# KiCad board Amiga500 Actionreplay 5.kicad_pcb
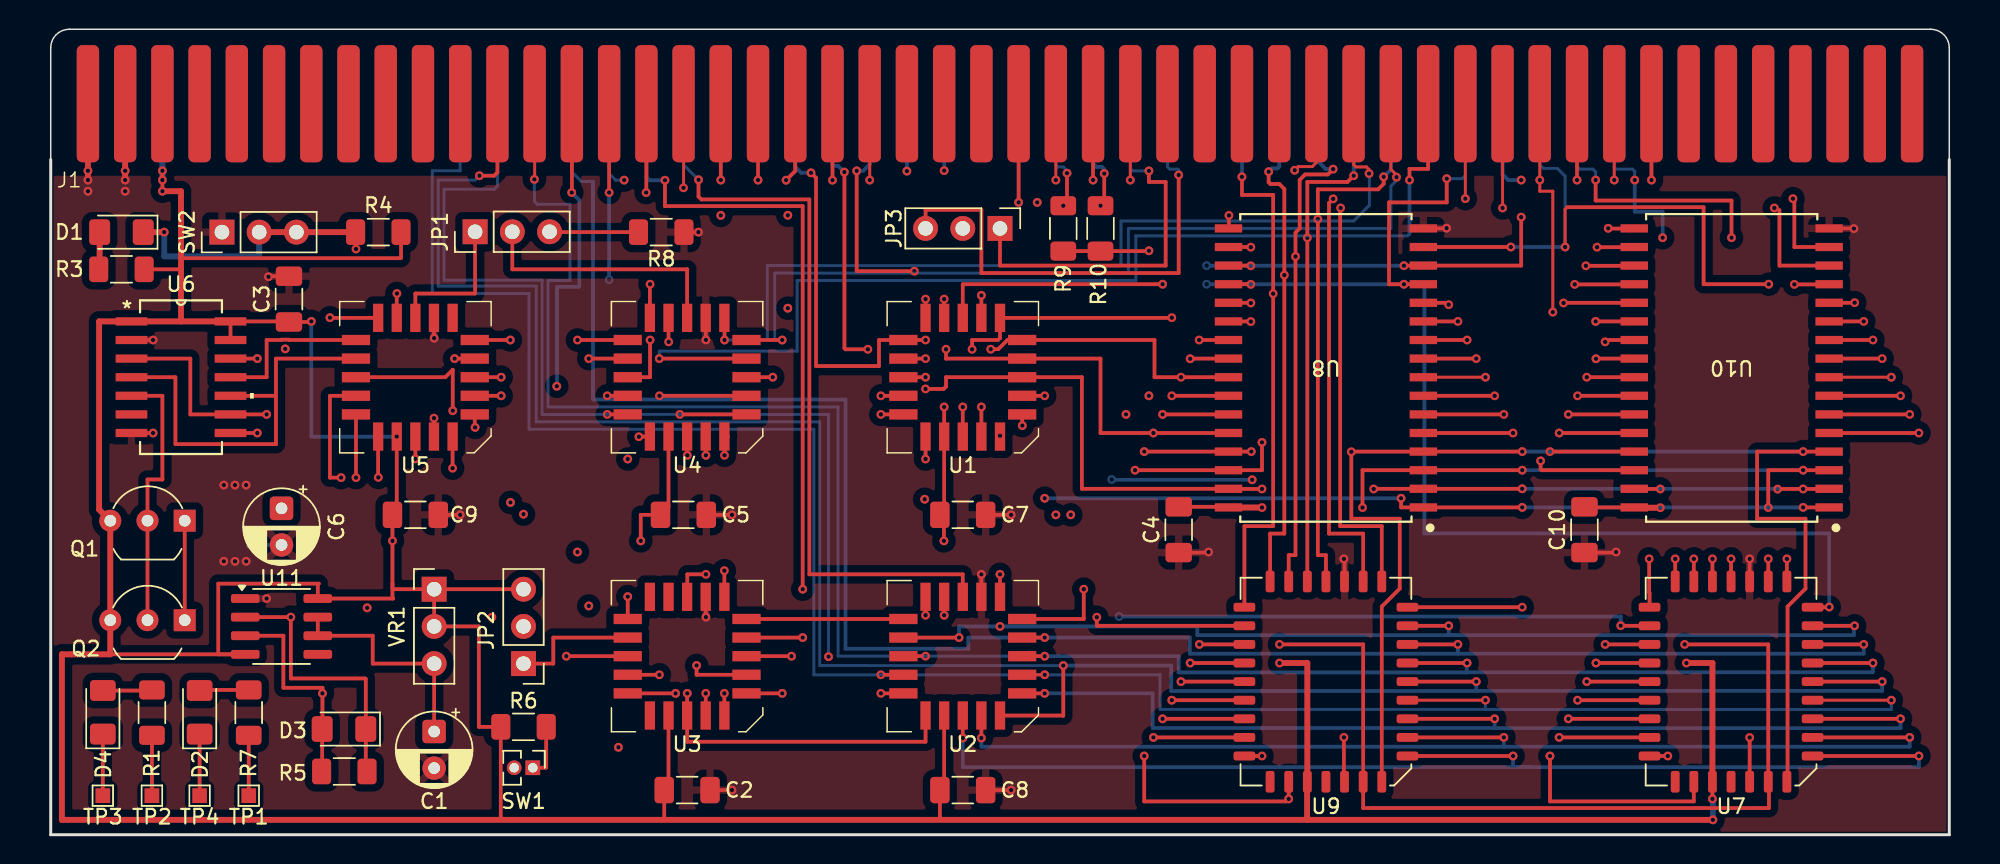
[diagram p0: board, top side]
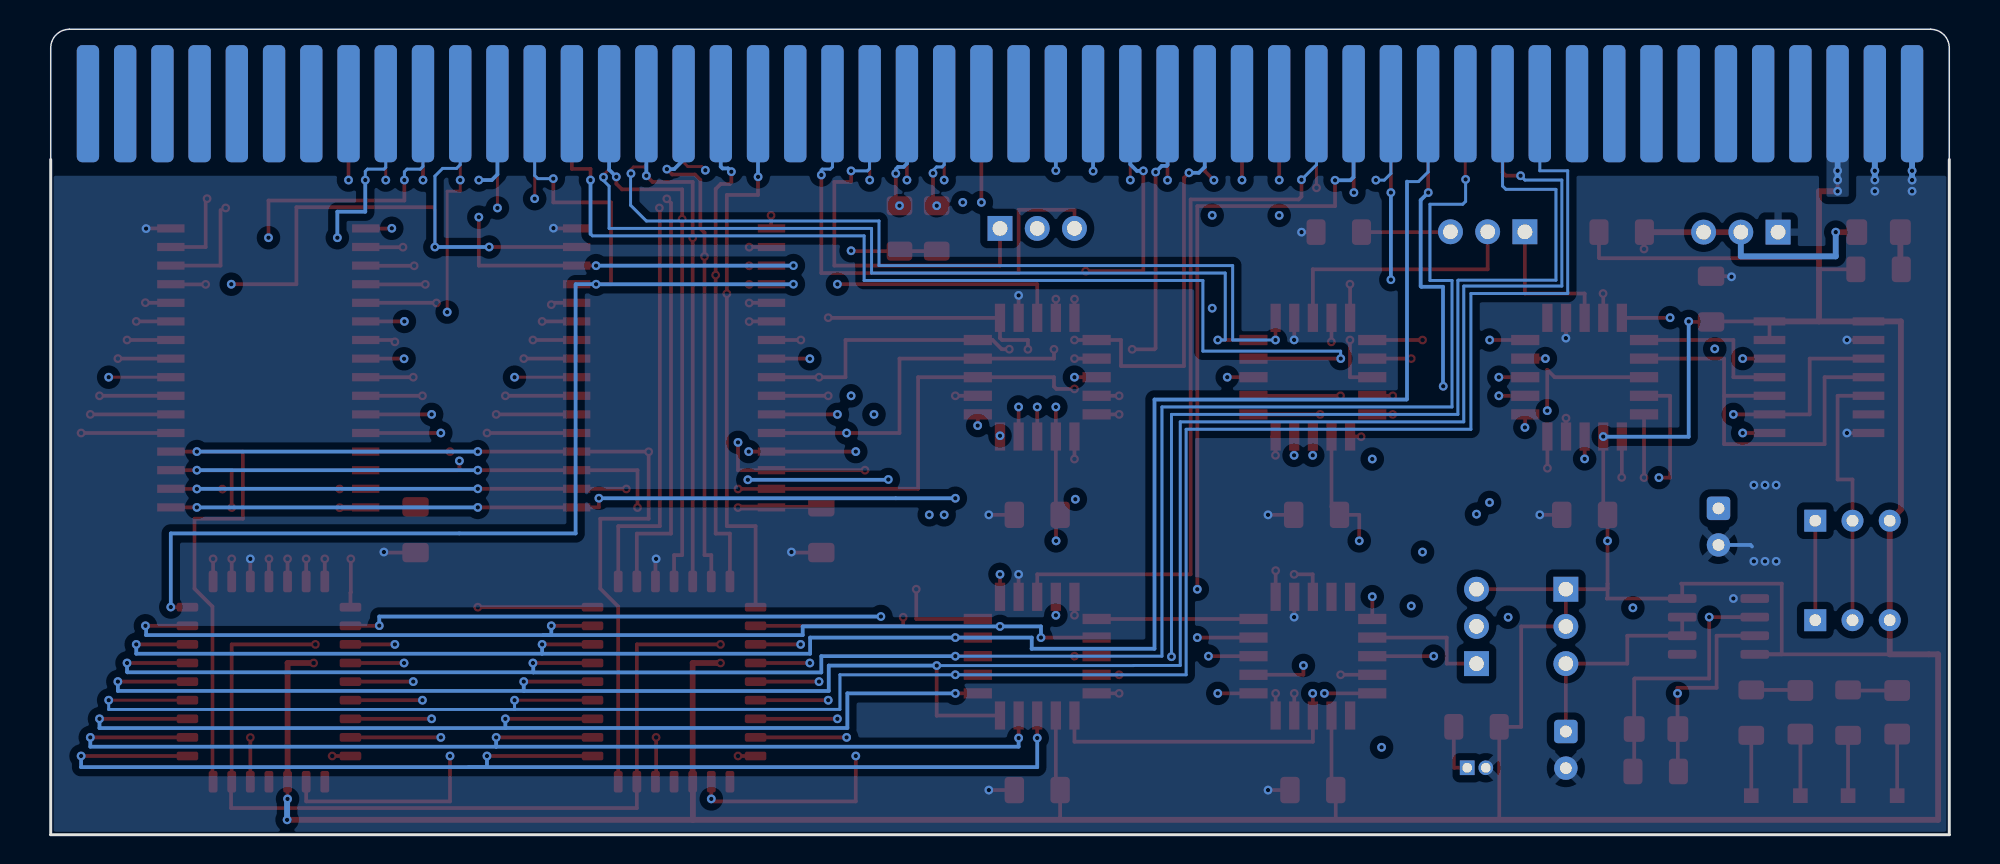
[diagram p1: board, bottom side, seen from below]

Outline 129.54 x 55 mm; copper layers: Top, In1.Cu, In2.Cu, Bottom. Coordinates in mm from the lower left corner of the outline.
Outline path: 0,46.11 0,0 129.54,0 129.54,46.11
Stack: Top 0.035mm / dielectric 0.1mm FR4 er 4.5 / In1.Cu 0.035mm / dielectric 1.24mm FR4 er 4.5 / In2.Cu 0.035mm / dielectric 0.1mm FR4 er 4.5 / Bottom 0.035mm

## Placement (name value [footprint] x y rotation side)
C1  10uF  [CP_Radial_D5.0mm_P2.50mm]  26.16 7.05 270 top
C2  C  [C_1206_3216Metric_Pad1.33x1.80mm_HandSolder]  43.42 3.05 0 top
C3  C  [C_1206_3216Metric_Pad1.33x1.80mm_HandSolder]  16.26 36.58 90 top
C4  C  [C_1206_3216Metric_Pad1.33x1.80mm_HandSolder]  76.96 20.83 90 top
C5  C  [C_1206_3216Metric_Pad1.33x1.80mm_HandSolder]  43.17 21.84 0 top
C6  1uF  [CP_Radial_D5.0mm_P2.50mm]  15.75 22.29 270 top
C7  C  [C_1206_3216Metric_Pad1.33x1.80mm_HandSolder]  62.23 21.84 0 top
C8  C  [C_1206_3216Metric_Pad1.33x1.80mm_HandSolder]  62.23 3.05 0 top
C9  C  [C_1206_3216Metric_Pad1.33x1.80mm_HandSolder]  24.88 21.84 0 top
C10  C  [C_1206_3216Metric_Pad1.33x1.80mm_HandSolder]  104.65 20.83 90 top
D1  LED  [LED_1206_3216Metric_Pad1.42x1.75mm_HandSolder]  4.83 41.15 180 top
D2  LED  [LED_1206_3216Metric_Pad1.42x1.75mm_HandSolder]  10.16 8.36 90 top
D3  D  [D_1206_3216Metric_Pad1.42x1.75mm_HandSolder]  20.01 7.22 180 top
D4  LED  [LED_1206_3216Metric_Pad1.42x1.75mm_HandSolder]  3.56 8.36 90 top
J1  ISA_86_PIN _PCB_EDGE_CONN  [ISA_100_PIN _PCB_EDGE_CONN]  2.54 49.92 0 top
JP1  hide/unhide ROM and RAM space  [PinHeader_1x03_P2.54mm_Vertical]  28.96 41.17 90 top
JP2  DeMoN on/off jumper  [PinHeader_1x03_P2.54mm_Vertical]  32.26 11.68 180 top
JP3  $400000  $800000  [PinHeader_1x03_P2.54mm_Vertical]  64.77 41.4 270 top
Q1  ZVP2106A  [TO-92_Inline_Wide]  9.14 21.44 180 top
Q2  ZVP2106A  [TO-92_Inline_Wide]  9.14 14.65 180 top
R1  R  [R_1206_3216Metric_Pad1.30x1.75mm_HandSolder]  6.91 8.34 270 top
R3  1k  [R_1206_3216Metric_Pad1.30x1.75mm_HandSolder]  4.83 38.61 0 top
R4  1k  [R_1206_3216Metric_Pad1.30x1.75mm_HandSolder]  22.35 41.15 0 top
R5  4.7k  [R_1206_3216Metric_Pad1.30x1.75mm_HandSolder]  20.03 4.32 0 top
R6  1k  [R_1206_3216Metric_Pad1.30x1.75mm_HandSolder]  32.26 7.37 0 top
R7  R  [R_1206_3216Metric_Pad1.30x1.75mm_HandSolder]  13.51 8.34 270 top
R8  220R  [R_1206_3216Metric_Pad1.30x1.75mm_HandSolder]  41.66 41.15 180 top
R9  1k  [R_1206_3216Metric_Pad1.30x1.75mm_HandSolder]  69.09 41.4 270 top
R10  1k  [R_1206_3216Metric_Pad1.30x1.75mm_HandSolder]  71.63 41.4 270 top
SW1  Conn_01x02  [PinHeader_1x02_P1.27mm_Vertical]  32.89 4.57 270 top
SW2  Conn_01x03  [PinHeader_1x03_P2.54mm_Vertical]  11.68 41.15 90 top
TP1  TestPoint  [TestPoint_Pad_1.0x1.0mm]  13.51 2.67 180 top
TP2  TestPoint  [TestPoint_Pad_1.0x1.0mm]  6.91 2.67 180 top
TP3  TestPoint  [TestPoint_Pad_1.0x1.0mm]  3.56 2.67 180 top
TP4  TestPoint  [TestPoint_Pad_1.0x1.0mm]  10.16 2.67 180 top
U1  GAL16V8  [GAL16V8 PLCC-20]  62.23 31.24 180 top
U2  GAL16V8  [GAL16V8 PLCC-20]  62.23 12.19 180 top
U3  GAL16V8  [GAL16V8 PLCC-20]  43.42 12.19 180 top
U4  GAL16V8  [GAL16V8 PLCC-20]  43.42 31.24 180 top
U5  GAL16V8  [GAL16V8 PLCC-20]  24.88 31.24 180 top
U6  -  [74LS74]  8.89 31.24 0 top
U7  AT29C010A-90JI  [AT29C010A-90JI PLCC-32_11.4x14.0mm_P1.27mm]  114.65 10.46 180 top
U8  IS61C5128AS-25QLI  [SOP32L_450MIL_ISI]  87.01 31.88 180 top
U9  AT29C010A-90JI  [AT29C010A-90JI PLCC-32_11.4x14.0mm_P1.27mm]  87.01 10.46 180 top
U10  IS61C5128AS-25QLI  [SOP32L_450MIL_ISI]  114.69 31.88 180 top
U11  MC1455B  [SOIC-8_3.9x4.9mm_P1.27mm]  15.75 14.22 0 top
VR1  Conn_01x03  [PinHeader_1x03_P2.54mm_Vertical]  26.16 16.76 0 top

## Library data of the parts
C1 C6 = -: Description: Polarized capacitor; ki_fp_filters: CP_*
C2-C5 C7-C10 = -: Description: Unpolarized capacitor; ki_fp_filters: C_*
D1 D2 D4 = -: Description: Light emitting diode; ki_fp_filters: LED* LED_SMD:* LED_THT:*
D3 = -: Description: Diode; Sim.Pins: 1=K 2=A; ki_fp_filters: TO-???* *_Diode_* *SingleDiode* D_*
J1 = -: Description: Generic connector, double row, 02x40, odd/even pin numbering scheme (row 1 odd numbers, row 2 even numbers), script generated (kicad-library-utils/schlib/autogen/connector/); ki_fp_filters: Connector*:*_2x??_*
JP1-JP3 = -: Description: Jumper, 3-pole, pins 1+2 closed/bridged; ki_fp_filters: Jumper* TestPoint*3Pads* TestPoint*Bridge*
Q1 Q2 = -: Datasheet: https://www.diodes.com/assets/Datasheets/ZVP2106A.pdf; Description: DMOS FET P-ch 280mA 60V E-Line; Height: 2.41; Mouser Part Number: 522-ZVP2106A; Mouser Price/Stock: https://www.mouser.co.uk/ProductDetail/Diodes-Incorporated/ZVP2106A?qs=zhx2xqPtQQwK3PgBuv1sdA%3D%3D; Manufacturer_Name: Diodes Incorporated
R1 R3-R10 = -: Description: Resistor; ki_fp_filters: R_*
SW1 = -: Description: Generic connector, single row, 01x02, script generated (kicad-library-utils/schlib/autogen/connector/); ki_fp_filters: Connector*:*_1x??_*
SW2 VR1 = -: Description: Generic connector, single row, 01x03, script generated (kicad-library-utils/schlib/autogen/connector/); ki_fp_filters: Connector*:*_1x??_*
TP1-TP4 = -: Description: test point; ki_fp_filters: Pin* Test*
U1-U5 = -: Description: Programmable Logic Array, DIP-20/SOIC-20/PLCC-20; ki_fp_filters: DIP* PDIP* SOIC* SO* PLCC*
U6 = -: Datasheet: 74xx/74hc_hct74.pdf; Description: Dual D Flip-flop, Set & Reset; ki_fp_filters: DIP*W7.62mm*
U7 U9 = -: Datasheet: https://www.mouser.de/datasheet/2/268/Atmel_AT29C010A-1180240.pdf; Description: Fast Read Access Time  70 ns  5-volt Only Reprogramming  Sector Program Operation  Single Cycle Reprogram (Erase and Program)  1024 Sectors (128 Bytes/sector)  Internal Address and Data Latches for 128 Bytes  Two 8K Bytes Boot Blocks with Lockout  Internal Program Control and Timer  Hardware and Software Data Protection  Fast Sector Program Cycle Time  10 ms  DATA Polling for End of Program Detection  Low Power Dissipation  50 mA Active Current  100 A CMOS Standby Current  T; Height: 3.556; Mouser Part Number: 556-AT29C010A-90JI; Mouser Price/Stock: https://www.mouser.co.uk/ProductDetail/Microchip-Technology-Atmel/AT29C010A-90JI?qs=RoBsvebQnoGCogcWr4xHGw%3D%3D; Manufacturer_Name: Microchip
U8 U10 = -: Datasheet: http://www.issi.com/WW/pdf/61-64C5128AL.pdf; Description: SRAM 4Mb,High-Speed,Low Power,Async,512K x 8,25ns,5v,32 Pin SOP (450 mil), RoHS; Height: 3.05; Mouser Part Number: 870-61C5128AS-25QLI; Mouser Price/Stock: https://www.mouser.co.uk/ProductDetail/ISSI/IS61C5128AS-25QLI?qs=v9o34zvNDAYPCnMwiEH0%252BA%3D%3D; Manufacturer_Name: Integrated Silicon Solution Inc.
U11 = -: Datasheet: https://www.onsemi.com/pub/Collateral/MC1455-D.PDF; Description: Timer, 555 compatible, SOIC-8; ki_fp_filters: SOIC*3.9x4.9mm*P1.27mm*

## Footprints (pads in the part's own frame, mm; a bottom-side part is the same pattern mirrored in y, then rotated)
74LS74
  rect 2.159x0.559 smd: 1(-3.378,3.81) 2(-3.378,2.54) 3(-3.378,1.27) 4(-3.378,0) 5(-3.378,-1.27) 6(-3.378,-2.54) 7(-3.378,-3.81) 8(3.378,-3.81) 9(3.378,-2.54) 10(3.378,-1.27) 11(3.378,0) 12(3.378,1.27) 13(3.378,2.54) 14(3.378,3.81)
AT29C010A-90JI PLCC-32_11.4x14.0mm_P1.27mm
  rrect 0.6x1.475 smd: 1(0,6.838) 2(-1.27,6.838) 3(-2.54,6.838) 4(-3.81,6.838) 14(-3.81,-6.838) 15(-2.54,-6.838) 16(-1.27,-6.838) 17(0,-6.838) 18(1.27,-6.838) 19(2.54,-6.838) 20(3.81,-6.838) 30(3.81,6.838) 31(2.54,6.838) 32(1.27,6.838)
  rrect 1.475x0.6 smd: 5(-5.562,5.08) 6(-5.562,3.81) 7(-5.562,2.54) 8(-5.562,1.27) 9(-5.562,0) 10(-5.562,-1.27) 11(-5.562,-2.54) 12(-5.562,-3.81) 13(-5.562,-5.08) 21(5.562,-5.08) 22(5.562,-3.81) 23(5.562,-2.54) 24(5.562,-1.27) 25(5.562,0) 26(5.562,1.27) 27(5.562,2.54) 28(5.562,3.81) 29(5.562,5.08)
C_1206_3216Metric_Pad1.33x1.80mm_HandSolder
  rrect 1.325x1.8 smd: 1(-1.562,0) 2(1.562,0)
CP_Radial_D5.0mm_P2.50mm
  rrect 1.6x1.6 hole 0.8: 1(0,0)
  round 1.6 hole 0.8: 2(2.5,0)
D_1206_3216Metric_Pad1.42x1.75mm_HandSolder
  rrect 1.425x1.75 smd: 1(-1.488,0) 2(1.488,0)
GAL16V8 PLCC-20
  rect 0.7x1.925 smd: 1(0,4.053) 2(-1.27,4.053) 3(-2.54,4.053) 9(-2.54,-4.053) 10(-1.27,-4.053) 11(0,-4.053) 12(1.27,-4.053) 13(2.54,-4.053) 19(2.54,4.053) 20(1.27,4.053)
  rect 1.925x0.7 smd: 4(-4.053,2.54) 5(-4.053,1.27) 6(-4.053,0) 7(-4.053,-1.27) 8(-4.053,-2.54) 14(4.053,-2.54) 15(4.053,-1.27) 16(4.053,0) 17(4.053,1.27) 18(4.053,2.54)
ISA_100_PIN _PCB_EDGE_CONN
  rrect 1.57x6.35 smd far side: 1(0,0) 3(2.54,0) 5(5.08,0) 7(7.62,0) 9(10.16,0) 11(12.7,0) 13(15.24,0) 15(17.78,0) 17(20.32,0) 19(22.86,0) 21(25.4,0) 23(27.94,0) 25(30.48,0) 27(33.02,0) 29(35.56,0) 31(38.1,0) 33(40.64,0) 35(43.18,0) 37(45.72,0) 39(48.26,0) 41(50.8,0) 43(53.34,0) 45(55.88,0) 47(58.42,0) 49(60.96,0) 51(63.5,0) 53(66.04,0) 55(68.58,0) 57(71.12,0) 59(73.66,0) 61(76.2,0) 63(78.74,0) 65(81.28,0) 67(83.82,0) 69(86.36,0) 71(88.9,0) 73(91.44,0) 75(93.98,0) 77(96.52,0) 79(99.06,0) 81(101.6,0) 83(104.14,0) 85(106.68,0) 87(109.22,0) 89(111.76,0) 91(114.3,0) 93(116.84,0) 95(119.38,0) 97(121.92,0) 99(124.46,0)
  rrect 1.524x8 smd: 2(0,0) 4(2.54,0) 6(5.08,0) 8(7.62,0) 10(10.16,0) 12(12.7,0) 14(15.24,0) 16(17.78,0) 18(20.32,0) 20(22.86,0) 22(25.4,0) 24(27.94,0) 26(30.48,0) 28(33.02,0) 30(35.56,0) 32(38.1,0) 34(40.64,0) 36(43.18,0) 38(45.72,0) 40(48.26,0) 42(50.8,0) 44(53.34,0) 46(55.88,0) 48(58.42,0) 50(60.96,0) 52(63.5,0) 54(66.04,0) 56(68.58,0) 58(71.12,0) 60(73.66,0) 62(76.2,0) 64(78.74,0) 66(81.28,0) 68(83.82,0) 70(86.36,0) 72(88.9,0) 74(91.44,0) 76(93.98,0) 78(96.52,0) 80(99.06,0) 82(101.6,0) 84(104.14,0) 86(106.68,0) 88(109.22,0) 90(111.76,0) 92(114.3,0) 94(116.84,0) 96(119.38,0) 98(121.92,0) 100(124.46,0)
LED_1206_3216Metric_Pad1.42x1.75mm_HandSolder
  rrect 1.425x1.75 smd: 1(-1.488,0) 2(1.488,0)
PinHeader_1x02_P1.27mm_Vertical
  rect 1x1 hole 0.65: 1(0,0)
  round 1 hole 0.65: 2(0,-1.27)
PinHeader_1x03_P2.54mm_Vertical
  rect 1.7x1.7 hole 1: 1(0,0)
  round 1.7 hole 1: 2(0,-2.54) 3(0,-5.08)
R_1206_3216Metric_Pad1.30x1.75mm_HandSolder
  rrect 1.3x1.75 smd: 1(-1.55,0) 2(1.55,0)
SOIC-8_3.9x4.9mm_P1.27mm
  rrect 1.95x0.6 smd: 1(-2.475,1.905) 2(-2.475,0.635) 3(-2.475,-0.635) 4(-2.475,-1.905) 5(2.475,-1.905) 6(2.475,-0.635) 7(2.475,0.635) 8(2.475,1.905)
SOP32L_450MIL_ISI
  rect 1.867x0.559 smd: 1(-6.648,9.525) 2(-6.648,8.255) 3(-6.648,6.985) 4(-6.648,5.715) 5(-6.648,4.445) 6(-6.648,3.175) 7(-6.648,1.905) 8(-6.648,0.635) 9(-6.648,-0.635) 10(-6.648,-1.905) 11(-6.648,-3.175) 12(-6.648,-4.445) 13(-6.648,-5.715) 14(-6.648,-6.985) 15(-6.648,-8.255) 16(-6.648,-9.525) 17(6.648,-9.525) 18(6.648,-8.255) 19(6.648,-6.985) 20(6.648,-5.715) 21(6.648,-4.445) 22(6.648,-3.175) 23(6.648,-1.905) 24(6.648,-0.635) 25(6.648,0.635) 26(6.648,1.905) 27(6.648,3.175) 28(6.648,4.445) 29(6.648,5.715) 30(6.648,6.985) 31(6.648,8.255) 32(6.648,9.525)
TestPoint_Pad_1.0x1.0mm
  rect 1x1 smd: 1(0,0)
TO-92_Inline_Wide
  rect 1.5x1.5 hole 0.8: 1(0,0)
  round 1.5 hole 0.8: 2(2.54,0) 3(5.08,0)

## Nets
+5V: C2.1 C3.1 C4.2 C5.1 C7.1 C8.1 C9.1 C10.2 J1.5 J1.6 JP2.3 Q1.3 Q2.3 R3.2 R4.2 R6.1 R9.2 R10.2 U1.20 U2.20 U3.20 U4.20 U5.20 U6.1 U6.13 U6.14 U7.32 U8.32 U9.32 U10.32 U11.4 U11.8 VR1.1 VR1.2
GND: C1.2 C2.2 C3.2 C4.1 C5.2 C6.2 C7.2 C8.2 C9.2 C10.1 J1.1 J1.2 J1.3 J1.4 R8.1 SW1.2 SW2.1 U1.10 U2.10 U3.10 U4.10 U5.10 U6.2 U6.7 U7.16 U8.16 U9.16 U10.16 U11.1
/A1: J1.29 U2.15 U7.12 U8.12 U9.12 U10.12
/A2: J1.27 U2.7 U7.11 U8.11 U9.11 U10.11
/A3: J1.26 U2.6 U7.10 U8.10 U9.10 U10.10
/A4: J1.24 U2.3 U7.9 U8.9 U9.9 U10.9
/A5: J1.21 U2.5 U7.8 U8.8 U9.8 U10.8
/A6: J1.23 U2.4 U7.7 U8.7 U9.7 U10.7
/A7: J1.28 U2.2 U7.6 U8.6 U9.6 U10.6
/A8: J1.30 U2.1 U7.5 U8.5 U9.5 U10.5
/A9: J1.32 U1.11 U7.27 U8.27 U9.27 U10.27
/A10: J1.34 U1.9 U7.26 U8.26 U9.26 U10.26
/A11: J1.36 U1.13 U7.23 U8.23 U9.23 U10.23
/A12: J1.38 U1.8 U7.25 U8.25 U9.25 U10.25
/A13: J1.39 U1.14 U7.4 U8.4 U9.4 U10.4
/A14: J1.41 U1.7 U7.28 U8.28 U9.28 U10.28
/A15: J1.43 U1.15 U7.29 U8.3 U9.29 U10.3
/A16: J1.45 U1.6 U7.3 U8.31 U9.3 U10.31
/A17: J1.47 U1.16 U7.2 U8.2 U9.2 U10.2
/A18: J1.52 U1.5 U8.1 U10.1
/A19: J1.54 U1.17 U8.30 U10.30
/A20: J1.56 U1.4
/A21: J1.58 U1.3
/A22: J1.57 JP3.1 U1.2
/A23: J1.59 JP3.3 U1.1
/D0: J1.75 U4.17 U7.13 U8.13
/D1: J1.77 U4.18 U7.14 U8.14
/D2: J1.79 U7.15 U8.15
/D3: J1.81 U7.17 U8.17
/D4: J1.83 U7.18 U8.18
/D5: J1.86 U7.19 U8.19
/D6: J1.84 U7.20 U8.20
/D7: J1.82 U7.21 U8.21
/D8: J1.80 U9.13 U10.13
/D9: J1.78 U9.14 U10.14
/D10: J1.76 U9.15 U10.15
/D11: J1.71 U9.17 U10.17
/D12: J1.69 U9.18 U10.18
/D13: J1.67 U9.19 U10.19
/D14: J1.65 U9.20 U10.20
/D15: J1.63 U9.21 U10.21
/R_W: J1.68 U5.2 U7.31 U8.29 U9.31 U10.29
/~{AS}: J1.74 U3.14 U4.7 U5.1
/~{FC0}: J1.31 U3.7
/~{FC1}: J1.33 U2.11
/~{HLT}: J1.55 R10.1 U5.16
/~{IPL0}: J1.40 U5.17
/~{IPL1}: J1.42 U5.18
/~{IPL2}: J1.44 U5.19
/~{LDS}: J1.70 U3.11 U4.9
/~{OE}: U3.9 U4.6 U5.12 U7.24 U8.24 U9.24 U10.24
/~{RST}: J1.53 R9.1 U5.8
/~{UDS}: J1.72 U3.4 U4.8
Net-(D1-A): D1.2 R3.1
Net-(D1-K): D1.1 R4.1 SW2.2 SW2.3 U5.6
Net-(D2-A): D2.2 R7.1
Net-(D2-K): D2.1 TP4.1
Net-(D3-A): D3.2 R5.1 U5.5 U11.3
Net-(D3-K): C6.1 D3.1 R5.2 U11.2
Net-(D4-A): D4.2 R1.1
Net-(D4-K): D4.1 TP3.1
Net-(JP1-A): JP1.1 U3.16 U5.11
Net-(JP1-B): JP1.3 R8.2
Net-(JP1-C): JP1.2 U4.11
Net-(JP2-A): JP2.1 U3.15
Net-(JP2-C): JP2.2 U5.4
Net-(JP3-C): JP3.2 Q1.1 Q2.1
Net-(Q1-G): Q1.2 Q2.2 U5.3 U6.5
Net-(R1-Pad2): R1.2 TP2.1
Net-(R7-Pad2): R7.2 TP1.1
Net-(SW1-Pin_1): R6.2 SW1.1 U3.6
Net-(U1-IO1): U1.19 U2.16
Net-(U1-IO2): U1.18 U2.17
Net-(U1-IO8): U1.12 U2.18
Net-(U2-I8): U2.8 U4.13
Net-(U2-I9): U2.9 U4.14
Net-(U2-IO1): U2.19 U3.1 U4.1
Net-(U2-IO6): U2.14 U3.8
Net-(U2-IO7): U2.13 U3.2 U4.2
Net-(U2-IO8): U2.12 U3.3 U4.3
Net-(U3-I03): U3.17 U4.5
Net-(U3-I5): U3.5 U5.13
Net-(U3-IO2): U3.18 U4.4
Net-(U4-IO4): U4.16 U8.22
Net-(U4-IO5): U4.15 U9.22
Net-(U4-IO8): U4.12 U7.22
Net-(U5-I7): U5.7 U6.3 U6.9
Net-(U5-IO5): U5.15 U6.4 U6.10
Net-(U5-IO6): U5.14 U6.11
Net-(U6B-D): U6.8 U6.12
Net-(U10-~{CE}): U4.19 U10.22
Net-(U11-DIS): C1.1 U11.6 U11.7 VR1.3

Pads without a net: J1 7 8 9 10 11 12 13 14 15 16 17 18 19 20 22 25 35 37 46 48 49 50 51 60 61 62 64 66 73 85 87 88 89 90 91 92 93 94 95 96 97 98 99 100; U3 12 13 19; U5 9; U6 6; U7 1 30; U9 1 30; U11 5

## Via types
v1: diameter 0.6, hole 0.3, Top to Bottom, 226 vias
v2: diameter 0.6, hole 0.3, Top to In1.Cu, 71 vias
v3: diameter 0.6, hole 0.3, In1.Cu to In2.Cu, 36 vias
v4: diameter 0.6, hole 0.3, Top to In2.Cu, 40 vias
v5: diameter 0.6, hole 0.3, In2.Cu to Bottom, 4 vias
v6: diameter 0.6, hole 0.3, In1.Cu to Bottom, 1 via

## Routing (per net, layer and track width the routed paths; a pad name or vN(x,y) marks a point on that pad's centre or on a via; arc(x,y) is an arc through that point)
+5V: length 447.3
  Top w0.254: 60.83,1.02 60.67,1.18 C8.1 60.96,3.34 U2.20 ; 4.06,12.32 U11.4 11.43,12.32 11.43,17.15 18.29,17.15 18.22,17.08 18.22,16.13 23.37,16.13 23.32,16.18 23.32,17.15 ; U10.32 104.69,22.35 C10.2 ; v1(60.96,29.21) U1.20 60.96,22.14 C7.1 60.95,21.57 v1(60.95,20.07) ; VR1.1 JP2.3 ; VR1.1 23.37,16.76 23.32,16.81 23.32,17.15 ; VR1.1 VR1.2 29.21,14.22 29.21,7.37 R6.1 30.71,1.04 ; 23.32,17.15 v1(23.32,20.07) C9.1 23.61,22.14 v1(23.61,27.19) ; v1(7.62,43.94) v1(7.62,45.34) ; R3.2 8.89,38.61 ; U7.32 113.38,2.54 ; U4.20 42.15,22.39 C5.1 40.26,21.84 v1(40.26,20.07) ; v1(74.93,39.88) 74.9,39.85 R10.2 R9.2 ; 8.89,39.37 23.88,39.37 23.9,39.4 R4.2 ; C4.2 80.32,22.39 U8.32 ; U6.13 U6.14 16.22,35.05 C3.1 17.74,35.01 v1(17.78,35.05) ; U3.20 42.15,3.34 C2.1 41.86,1.02
  Top w0.4: 8.89,35.05 U6.14 ; 8.89,35.05 8.89,43.94 v1(7.62,43.94) ; 8.89,35.05 U6.1 3.3,35.05 3.3,22.2 Q1.3 Q2.3 4.06,12.32 0.76,12.32 0.76,1.02 85.73,1.02 ; 113.38,3.61 113.38,11.73 v2(111.6,11.73) ; v2(82.65,22.34) 80.37,22.34 U8.32 ; 85.73,1.02 v1(113.41,1.02) ; 85.73,1.02 85.73,3.6 U9.32 85.74,11.73 v2(83.84,11.73) ; v2(109.82,22.33) 108.01,22.33
  In1.Cu w0.254: v1(74.93,39.88) v1(74.93,29.97)
  In1.Cu w0.4: v2(111.6,11.73) 110.29,11.73 110.29,18.16 109.86,18.16 109.86,19.56 110.29,19.56 110.29,22.33 v2(109.82,22.33) ; v2(82.65,22.34) 82.65,11.73 v2(83.84,11.73)
  In2.Cu w0.254: v1(23.32,20.07) v1(40.26,20.07) v1(60.95,20.07) ; v1(60.96,29.21) 60.96,29.97 v1(74.93,29.97)
  Bottom w0.254: v1(23.61,27.19) 23.6,27.18 17.78,27.18 v1(17.78,35.05) ; 113.41,2.42 v1(113.38,2.45)
  Bottom w0.4: J1.5 v1(7.62,45.34) v1(7.62,44.7) ; v1(113.41,1.02) 113.41,2.42
GND: length 55
  Top w0.254: U4.10 44.69,33.92 44.7,33.91 v1(44.7,33.79) ; U8.16 95.24,41.4 ; U7.16 v1(115.92,18.84) ; v1(44.7,14.86) 44.69,14.87 U3.10 ; v1(79,19.3) 78.96,19.27 C4.1 ; U9.16 88.28,18.79 v1(88.23,18.84) ; v1(106.81,19.3) 106.77,19.27 C10.1 ; U6.7 v1(6.99,27.43) ; C7.2 v1(65.53,21.84) ; U10.16 123.02,41.4 v1(123.03,41.39) ; U1.10 v1(63.5,36.83) ; C9.2 v1(27.94,21.84) ; C2.2 v1(46.48,3.05) ; v1(26.16,33.91) 26.15,33.92 U5.10 ; C5.2 v1(46.48,21.84) ; C3.2 14.9,38.14 v1(14.86,38.1) ; U6.2 v1(6.99,33.78) ; R8.1 v1(44.2,41.15) ; C8.2 v1(65.53,3.05) ; U2.10 v1(63.5,17.78)
  Top w0.4: J1.1 v1(2.54,44.7) ; J1.3 v1(5.08,44.7)
  In1.Cu w0.2: v1(5.08,44.7) 5.08,44.96
  Bottom w0.254: C6.2 13.56,19.79 13.46,19.69
  Bottom w0.4: v1(2.54,44.7) v1(2.54,45.34) J1.1 ; v1(5.08,44.7) v1(5.08,45.34) J1.3
  vias: v1(2.54,43.94) v1(5.08,43.94) v1(11.81,23.88) v1(11.81,18.67) v1(12.57,23.88) v1(12.57,18.67) v1(13.34,23.88) v1(13.34,18.67) v1(14.73,16.13) v1(95.24,41.42)
/A1: length 200.5
  Top w0.254: U10.12 123.07,36.32 v2(123.08,36.33) ; v1(95.38,14.27) U9.12 ; v1(61.98,13.46) U2.15 ; v1(123.08,14.27) U7.12 ; v2(95.38,36.2) 95.38,36.32 95.38,36.32 93.65,36.32
  In1.Cu w0.254: v3(64.77,5.97) v1(64.77,14.22) ; v1(123.08,14.27) 123.08,36.32 v2(123.08,36.33) ; v2(95.38,36.2) v1(95.38,14.27) ; v1(38.74,5.97) 38.74,35.18 39.12,35.56 39.12,44.69 v1(39.13,44.7)
  In2.Cu w0.254: v3(64.77,5.97) v1(38.74,5.97)
  Bottom w0.2: v1(39.13,44.7) 38.55,44.7 38.1,45.15 J1.29
  Bottom w0.254: v1(61.98,13.46) 61.98,14.22 v1(64.77,14.22) 78.23,14.22 78.23,13.63 95.95,13.63 ; 95.95,13.63 123.03,13.63 123.03,14.27 ; 95.95,13.63 95.38,13.63 v1(95.38,14.27)
/A2: length 185.4
  Top w0.254: U2.7 v1(67.82,13.46) ; v1(96.01,13) U9.11 ; 93.65,35.05 96.01,35.05 v2(96.01,35.05) ; v1(123.7,13) U7.11 ; U10.11 123.7,35.05 v2(123.7,35.05)
  In1.Cu w0.254: v2(123.7,35.05) v1(123.7,13) ; v1(96.01,13) v2(96.01,35.05)
  Bottom w0.2: 37,44.6 36.22,44.6 35.56,45.26 J1.27
  Bottom w0.254: v1(123.7,13) 123.7,12.36 96.01,12.36 ; 37,44.6 37,29.75 37.03,29.72 54.23,29.72 54.23,12.7 62.61,12.7 62.6,12.71 62.6,13.46 v1(67.82,13.46) 77.72,13.46 77.72,12.36 96.01,12.36 ; 96.01,12.36 v1(96.01,13)
/A3: length 194.1
  Top w0.2: v1(33,44.75) 33.02,44.77 J1.26
  Top w0.254: U2.6 v1(67.82,12.19) ; 93.65,33.78 v2(96.64,33.78) ; U10.10 v2(124.33,33.78) ; v1(96.64,11.73) U9.10 ; v1(124.33,11.73) U7.10
  In1.Cu w0.254: v2(124.33,33.78) v1(124.33,11.73) ; v1(96.64,11.73) v2(96.64,33.78)
  Bottom w0.2: v1(33,44.75) 33,43.25 33.2,43.05 35.43,43.05 35.43,37.85 33.93,37.85 33.93,29.21 53.72,29.21 53.72,12.19 v1(67.82,12.19)
  Bottom w0.254: 96.62,11.09 96.62,11.7 v1(96.64,11.73) ; 96.62,11.09 124.3,11.09 124.33,11.12 v1(124.33,11.73) ; 96.62,11.09 96.61,11.08 76.96,11.08 76.96,12.19 v1(67.82,12.19)
/A4: length 212.2
  Top w0.254: v1(69.09,11.55) 69.09,8.13 69.08,8.14 U2.3 ; v1(124.96,10.46) U7.9 ; v1(29.25,45) 30.25,45 30.48,45.23 J1.24 ; U10.9 124.96,32.51 v2(124.96,32.51) ; v2(97.27,32.51) 97.26,32.51 93.65,32.51 ; v1(97.27,10.46) U9.9
  In1.Cu w0.254: v2(124.96,32.51) v1(124.96,10.46) ; v1(97.27,10.46) v2(97.27,32.51)
  Bottom w0.2: v1(69.09,11.55) 55.63,11.55 55.63,11.56 52.47,11.56 52.47,28.19 33.13,28.19 33.13,37.47 26.44,37.47 26.44,44.7 28.95,44.7 v1(29.25,45)
  Bottom w0.254: v1(69.09,11.55) 76.45,11.55 76.45,9.81 97.26,9.81 97.27,9.82 ; 97.27,9.82 124.96,9.82 v1(124.96,10.46) ; 97.27,9.82 v1(97.27,10.46)
/A5: length 208.9
  Top w0.2: v1(125.58,9.19) U7.8 ; U10.8 125.58,31.24 v1(125.58,31.24) ; v1(97.89,9.19) U9.8 ; v1(97.89,31.24) 97.89,31.24 93.65,31.24 ; U2.5 v1(67.82,10.92)
  In1.Cu w0.2: v1(125.58,31.24) v1(125.58,9.19) ; v1(97.89,31.24) v1(97.89,9.19)
  Bottom w0.2: 97.9,8.55 125.58,8.55 v1(125.58,9.19) ; 97.9,8.55 97.89,8.56 75.69,8.56 75.69,10.92 v1(67.82,10.92) 52.07,10.92 52.07,27.69 32.64,27.69 32.64,36.96 26.04,36.96 26.04,45.34 27.94,45.34 J1.21 ; 97.9,8.55 97.89,8.56 v1(97.89,9.19)